# KiCad board A64-OlinuXino_Rev_G.kicad_pcb (continued)
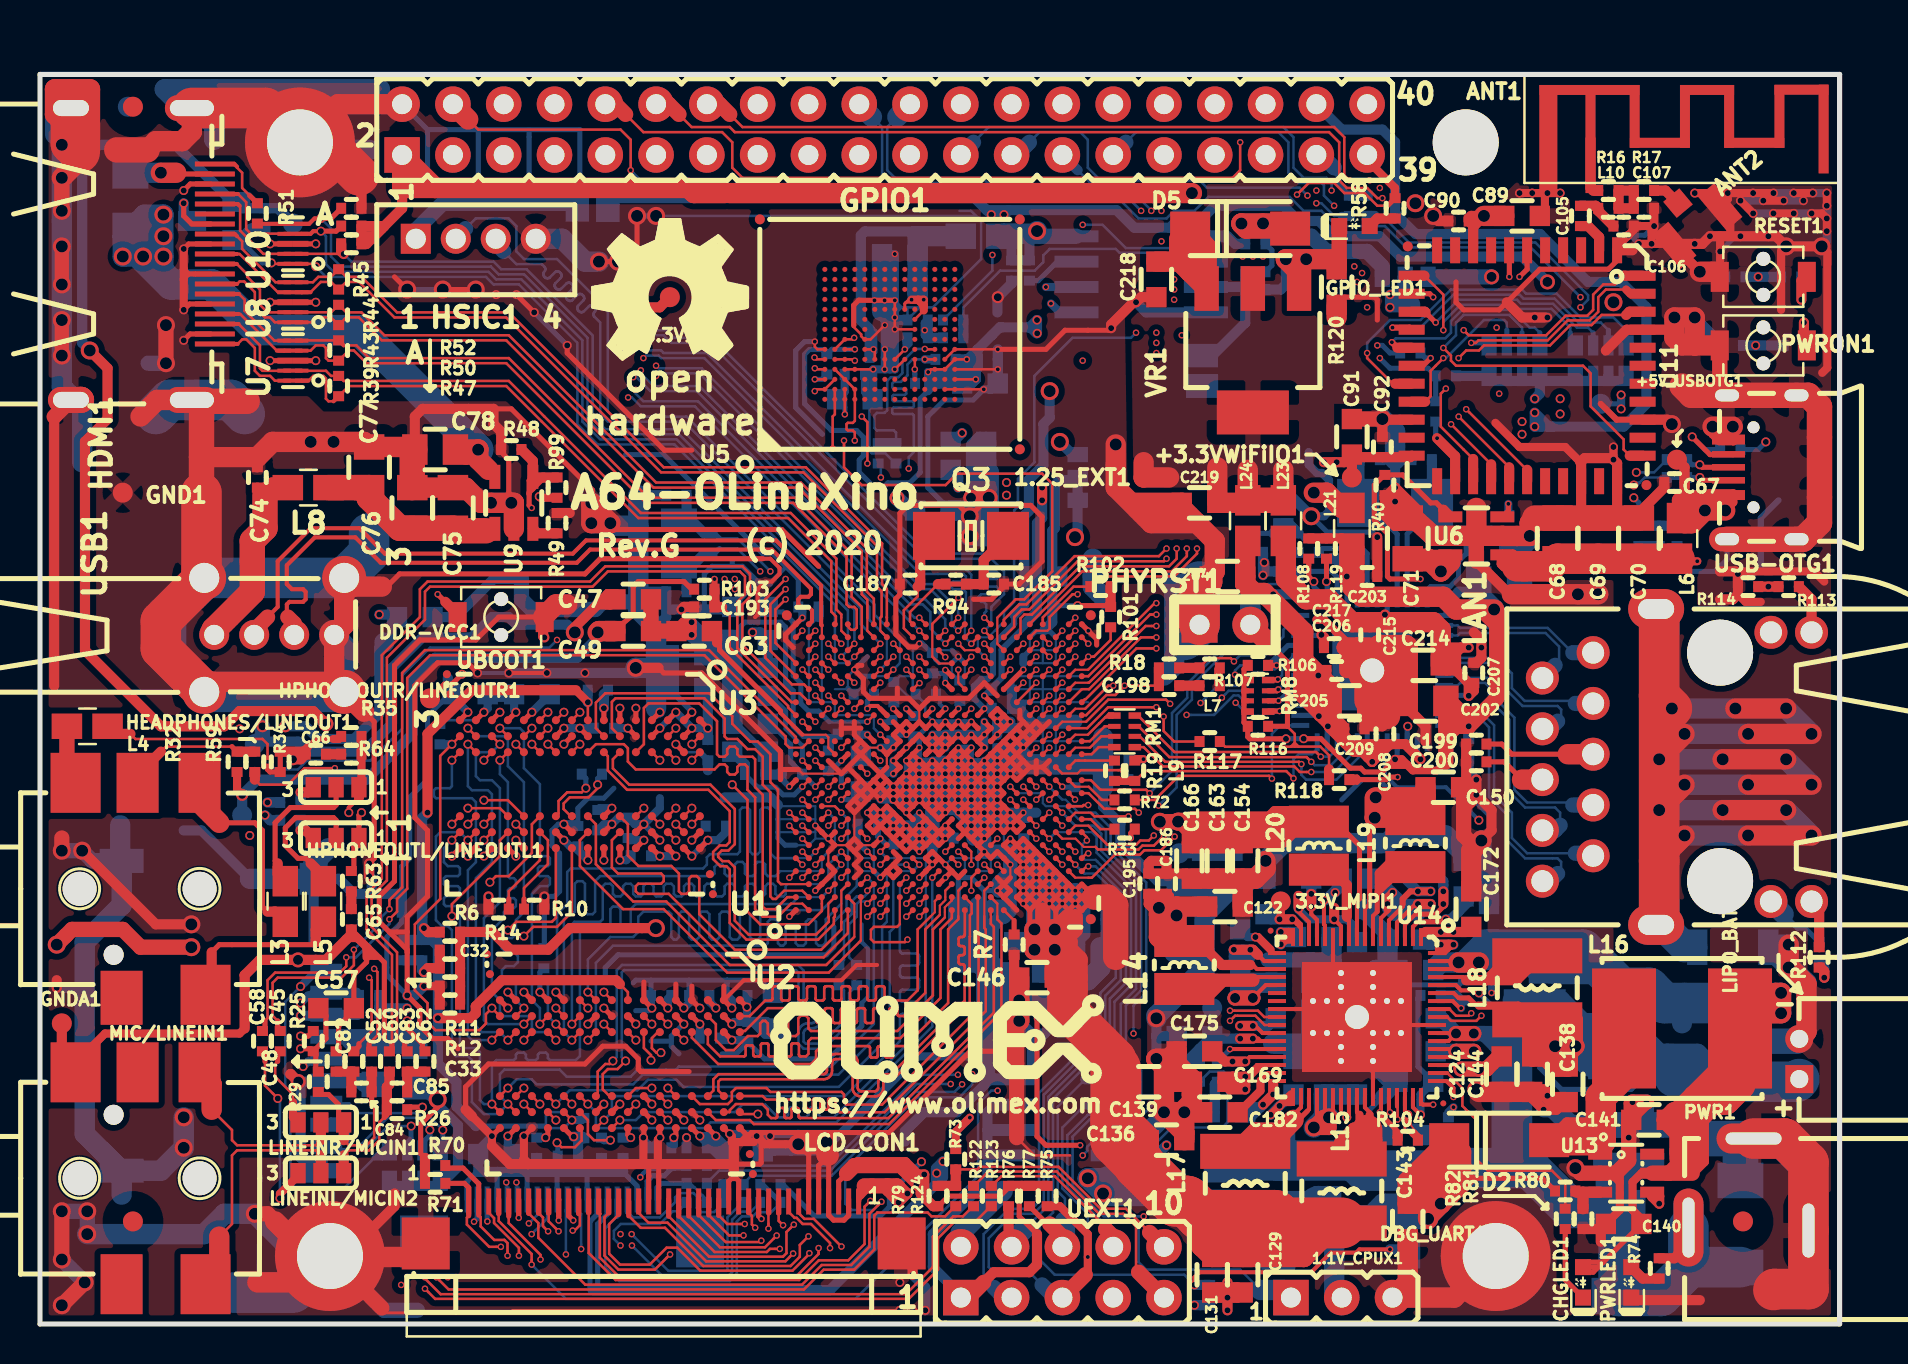
[diagram p0: board, top side]
## Routing (per net, layer and track width the routed paths; a pad name or vN(x,y) marks a point on that pad's centre or on a via; arc(x,y) is an arc through that point) (continued)
  In3.Cu w0.107: 49.5,33.7 49.5,33.7 49.5,34.21 49.5,34.21
  In3.Cu w0.127: 49.5,34.21 49.5,37.16 50.37,38.02 50.37,39.97 51.38,40.98 51.38,41.68 52.68,42.97 52.68,45.03 55.83,48.18 v4(55.83,48.56) ; v4(48.53,32.72) 49.5,33.7
  Bottom w0.127: v4(66.37,48.56) 66.37,49.07 67.51,50.22 69.04,50.22 70.56,51.74 74.12,51.74 74.32,51.54 75.84,51.54 77.04,50.34 78.69,50.34 79.32,49.71
  Bottom w0.254: RM9.1.2 79.32,49.71
/USB&HDMI,WiFi&BT,Ethernet,LCD/WL-SDIO-D1: length 38.2
  Top w0.127: U1.V22 49.03,34.53 49.03,35.29 49.22,35.48 49.61,35.48 52.02,37.9 56.46,37.9 56.84,38.28 v4(56.84,38.79) ; 69.27,46.13 69.54,46.41 69.54,47.68 v4(70.18,48.31)
  Top w0.508: U11.19 69.27,46.13
  In3.Cu w0.127: v4(70.18,48.31) 69.67,47.8 65.35,47.8 58.5,40.95 58.5,38.53 58.12,38.15 57.48,38.15 v4(56.84,38.79)
  Bottom w0.127: v4(70.18,48.31) 70.31,48.31 72.21,50.22 73.23,50.22 73.35,50.09 73.35,49.71
  Bottom w0.254: RM12.3.2 73.35,49.71
/USB&HDMI,WiFi&BT,Ethernet,LCD/WL-SDIO-D2: length 43.6
  Top w0.127: U1.Y21 v4(50.47,33.38)
  Top w0.254: 69.29,50.6 v4(69.8,50.09)
  Top w0.508: 69.29,50.6 69.26,50.63 U11.14
  In2.Cu w0.127: v4(69.8,50.09) 69.04,50.09 68.39,49.44 67.61,49.44 67.53,49.52 57.16,49.52 v4(57.1,49.45)
  In3.Cu w0.107: 50.8,33.7 50.8,34.67 50.62,34.85
  In3.Cu w0.127: 50.62,34.85 50.62,36.75 51.38,37.52 51.38,38.02 52.4,39.04 52.4,41.2 56.97,45.77 56.97,49.33 v4(57.1,49.45) ; v4(50.47,33.38) 50.8,33.7
  Bottom w0.127: v4(69.8,50.09) 70.94,51.23 73.86,51.23 74.07,51.03 75.67,51.03 76.86,49.84 77.42,49.84 77.67,49.58
  Bottom w0.254: RM9.3.2 77.67,49.58
/USB&HDMI,WiFi&BT,Ethernet,LCD/WL-SDIO-D3: length 45.5
  Top w0.127: v4(57.35,38.79) 57.35,38.41 56.59,37.64 52.12,37.64 49.5,35.02 U1.W23
  Top w0.305: v4(67.64,49.84) 68.49,49.84 U11.15
  In3.Cu w0.127: v4(67.64,49.84) 68.91,49.84 69.04,49.96 69.04,51.23 68.91,51.36 68.28,51.36 68.15,51.23 68.15,50.47 68.02,50.34 67.51,50.34 58.24,41.07 58.24,38.66 57.99,38.41 57.73,38.41 v4(57.35,38.79)
  Bottom w0.127: 78.44,49.71 78.05,50.09 76.94,50.09 75.74,51.28 74.19,51.28 73.99,51.49 70.69,51.49 69.04,49.84 v4(67.64,49.84)
  Bottom w0.254: RM9.2.2 78.44,49.71
/USB&HDMI,WiFi&BT,Ethernet,LCD/WL-WAKE-AP: length 70.2
  Top w0.127: U1.E19 v4(40.72,32.08)
  Top w0.254: v4(69.67,51.36) 69.5,51.53 U11.13
  In2.Cu w0.127: v4(56.72,51.23) 56.84,51.1 66.12,51.1 67.7,52.69 69.23,52.69 69.67,52.25 v4(69.67,51.36)
  In3.Cu w0.127: v4(56.72,51.23) 56.34,51.61 56.34,51.74 56.08,51.99 56.08,52.78 56.08,53.52 56.46,53.9 56.46,55.8 56.21,56.06 47.21,56.06 46.45,55.3 34.62,55.3 34.37,55.04 34.37,50.01 35.13,49.25 35.13,42.65 37.74,40.04 37.74,40.04 40.93,36.85 40.93,34.69 41.29,34.33 41.29,32.41 40.96,32.08 v4(40.72,32.08)
/VREF0_DDR3: length 62.6
  Top w0.127: 29,17 29.4,16.6 U2.H1 ; U2.M8 v3(26.6,10.2) ; U3.H1 v3(27.4,31.1) ; U3.M8 v3(23.8,25)
  Top w0.406: v3(27.4,31.1) 26.8,31.7
  Top w0.508: v3(19.2,19.8) 19.4,19.6 R6.1 ; 26.8,31.7 21.6,31.7 19.38,29.52 v3(19.38,25.58) ; v3(19.9,15.3) 21.55,15.3 21.79,15.55 21.79,15.89 23.1,17.2 28.8,17.2 29,17
  In3.Cu w0.508: v3(19.38,25.58) 20.78,26.97 22.56,26.97 23.8,25.73 v3(23.8,25)
  Bottom w0.127: U2.M8 25.5,10.6 25.3,10.4 25.3,9.9 25.4,9.8 26.2,9.8 v3(26.6,10.2) U2.M8
  Bottom w0.254: 25.3,9.9 21.8,9.9
  Bottom w0.406: v3(26.6,10.2) 27.09,10.2 C24.1
  Bottom w0.508: C25.1 27.39,31.11 v3(27.4,31.1) ; 19.9,18.9 19.59,19.21 C11.2 ; 19.9,18.9 v3(19.9,15.3) 19.9,13.03 20.83,12.1 20.83,10.88 21.8,9.91 21.8,9.9 ; 19.9,18.9 19.9,19.1 v3(19.2,19.8) ; C11.2 R5.1 ; C11.2 19.1,20.54 19.13,20.56 19.13,19.87 v3(19.2,19.8) ; v3(19.2,19.8) 19.11,19.89 R8.2 C23.1 19.11,25.31 v3(19.38,25.58)
AP-CK32KO: length 48.5
  Top w0.127: U1.B18 38.21,31.99 37.6,31.99 36.27,33.33 36.27,36.25 v4(37.29,37.26)
  In2.Cu w0.127: v4(67,48.31) 66.62,48.31 66.5,48.18 55.19,48.18 54.31,47.3 51.76,47.3 51.31,47.75 49.85,47.75 48.45,46.35 43.45,46.35 40.84,43.74 40.07,43.74 38.75,42.42 38.75,38.72 v4(37.29,37.26)
  Bottom w0.254: v4(67,48.31) 67.51,47.8 69.42,47.8 69.8,47.42 R60.2
AP-NMI#: length 178.5
  Top w0.127: 70.48,15.75 70.81,15.42 71.45,15.42 v4(71.58,15.55) ; U1.G18 v4(42.03,32.08)
  Top w0.203: U14.61 70.48,15.75
  In2.Cu w0.127: v4(20.4,2.34) 20.4,3.46 16.22,7.63 9.89,7.63 8.41,6.15 6.81,6.15 2.62,10.34 2.62,18.85 4.01,20.24 4.01,24.31 1.98,26.34 1.98,41.58 4.27,43.87 12.15,43.87 13.17,44.88 15.07,44.88 17.74,47.55 24.21,47.55 28.01,51.35 v4(34.7,51.35)
  In3.Cu w0.107: 41.7,32.4 41.54,32.56 41.54,34.4 41.41,34.53
  In3.Cu w0.127: v4(42.03,32.08) 41.7,32.4 ; v4(20.4,2.34) 21.54,1.19 41.53,1.19 45.34,5 55.57,5 57.23,6.66 66.73,6.66 70.69,10.61 v4(70.69,10.85) 70.18,11.35 70.18,14.78 70.69,15.29 71.32,15.29 v4(71.58,15.55) ; v4(34.7,51.35) 34.7,50.01 35.38,49.33 35.38,42.73 37.97,40.13 37.97,40.13 41.16,36.94 41.16,34.79 41.41,34.53
  Bottom w0.406: v4(70.69,10.85) 70.43,10.59 R85.1
AP-RESET#: length 164.3
  Top w0.127: v4(29.54,57.71) 29.54,59.23 29.03,59.74 21.92,59.74 21.41,60.25 ; U1.E17 v4(40.07,31.42)
  Top w0.203: v4(67,10.59) 67.06,10.65 U14.46
  Top w0.254: 67.77,9.77 67.77,9.32 R104.2 ; 67.77,9.77 68.02,9.51 ; 67.77,9.77 67,10.53 v4(67,10.59) ; 68.02,9.51 68.02,9.19 ; 68.02,9.51 67.89,9.51 ; 65.99,27.23 65.48,27.23 65.61,27.1 65.86,27.1 65.99,27.23 ; 65.99,27.23 67.32,27.23 67.45,27.36 v4(67.89,27.36) ; 65.99,27.23 65.86,27.36 65.54,27.36
  Top w1.016: GPIO1.4 21.41,60.25
  In2.Cu w0.127: v3(85.93,52.38) 85.42,51.87 81.86,51.87 80.34,50.34 78.05,50.34 v4(77.04,51.36)
  In3.Cu w0.107: 39.75,31.75 38.48,31.75
  In3.Cu w0.127: v4(29.54,57.71) 29.92,57.33 30.81,57.33 32.08,56.06 32.08,48.95 32.84,48.18 32.84,41.96 33.99,40.82 33.99,39.04 36.02,37.01 36.02,36.07 36.78,35.31 36.78,33.27 38.3,31.75 38.48,31.75 ; v4(67,10.59) 67.64,11.23 69.29,11.23 69.93,11.86 69.93,17.45 66.64,20.73 66.64,21.71 68.4,23.46 68.4,26.85 v4(67.89,27.36) 67.89,27.42 67.73,27.58 67.44,27.58 67.08,27.94 67.08,30.42 67.77,31.1 67.77,38.02 70.18,40.44 71.07,40.44 73.1,42.47 73.81,42.47 76.53,45.19 76.53,50.85 v4(77.04,51.36) ; v4(40.07,31.42) 39.75,31.75
  Bottom w0.127: v4(77.04,51.36) 74.55,53.85 68.33,53.85 67.26,54.91 64.85,54.91 64.08,55.68 63.19,55.68 62.5,56.38 58.43,56.38 57.73,55.68 56.72,55.68 56.34,55.3 54.94,55.3 54.07,56.16 47.6,56.16 46.94,56.82 30.43,56.82 v4(29.54,57.71)
  Bottom w0.508: R89.2 v3(85.93,52.38) C156.2
IPS: length 198.8
  Top w0.203: 67.39,20.75 67.39,20.62 67.06,20.3 U14.6 ; v3(64.72,20.24) 65.06,19.9 U14.11 ; v1(60.66,16.31) 61.3,16.95 U14.22 ; v2(63.7,9.83) 63.86,9.99 U14.38 ; v3(60.27,12.37) 60.86,12.95 U14.32 61.3,12.95 ; 61.3,12.95 60.99,12.95 60.34,12.31 60.27,12.31 ; 61.3,12.95 61.18,12.95 60.27,12.05 60.27,11.93 ; U14.66 70.61,17.75 v2(70.94,18.08) 70.87,18.15 U14.67 ; 62.94,20.75 62.94,20.62 63.46,20.1 U14.15 ; U14.56 70.7,13.75 v1(70.81,13.64) 70.53,13.35 U14.55 ; 60.91,18.47 61.22,18.15 U14.19 ; U14.4 67.86,20.08 68.78,21.01 v3(68.91,21.01) ; U14.39 64.26,10.54 v2(64.47,10.34) 64.66,10.53 U14.40
  Top w0.254: CHGLED1.2 77.42,3.1 78.18,3.1 ; CHGLED1.2 77.16,2.59 77.67,2.59 77.93,2.84 ; CHGLED1.2 77.93,2.84 ; 78.18,3.1 77.93,2.84 ; 78.18,3.1 C140.2
  Top w0.406: 67.39,20.75 v3(67.39,21.01) 67.39,21.33 v3(67.65,21.59) ; C140.2 80.09,5.26 79.64,5.7 79.64,7.1 80.09,7.54 U13.5
  Top w0.508: 60.91,18.47 60.66,18.72 v3(60.53,18.72) v3(59.7,18.72) ; 84.28,11.23 83.21,10.16 83.21,8.13 82.63,7.54 ; 60.27,12.31 60.08,12.12 59.38,12.12 ; 60.27,12.31 v3(60.27,11.73) 59.51,11.73 59.13,12.12 59.38,12.12 ; 60.27,12.31 v3(60.27,12.37) 59.64,12.37 59.38,12.12 ; v3(64.72,20.24) v4(64.72,20.82) ; v3(69.54,21.01) v3(68.91,21.01) ; 62.94,20.82 v3(62.94,21.41)
  Top w0.762: 81.48,7.54 82.25,8.31 ; 81.48,7.54 82.63,7.54 ; 81.48,7.54 U13.5 ; v1(60.66,16.31) v1(59.77,16.31) ; v1(70.81,13.64) v1(71.7,13.64) ; 64.21,10.34 v2(64.47,10.34) 64.47,9.83 v2(63.7,9.83) 64.21,10.34
  Top w1.016: 82.25,10.34 82.12,10.21 C141.2 ; C141.2 81.74,10.59 82.25,10.59 ; C141.2 82.25,9.32 82.25,8.61 ; v2(70.94,18.08) v2(71.96,18.08) ; 85.78,15.55 v2(87.07,15.55) v2(87.07,16.56) 86.8,16.56 L16.1 85.78,15.55
  Top w1.524: 82.88,11.23 82.25,10.59 82.25,8.31 ; 82.88,11.23 85.02,13.36 L16.1 85.02,11.97 84.28,11.23 82.88,11.23
  In4.Cu w0.406: v3(44.08,8.12) 44.65,8.69 51.04,8.69 52.05,9.7 63.58,9.7 v2(63.7,9.83) ; v3(62.94,20.78) 62.94,20.7 63.55,20.09
  In4.Cu w0.508: 62.31,18.21 61.04,18.21 v3(60.53,18.72) v3(59.7,18.72) ; 69.04,19.99 68.91,20.12 v3(68.91,21.01) v3(69.54,21.01) ; v3(62.94,20.78) v3(62.94,21.41) ; 64.72,19.36 v3(64.72,20.24) v4(64.72,20.82) ; 62.31,12.88 61.54,12.88 61.04,12.37 ; 61.04,12.37 v3(60.27,12.37) v3(60.27,11.73) 60.4,11.73 61.04,12.37 ; v3(67.65,21.59) 67.39,21.33 v3(67.39,21.01) 67.39,19.99
  In4.Cu w0.762: v1(59.77,16.31) v1(60.66,16.31) 62.31,16.31 ; 69.04,13.64 v1(70.81,13.64) v1(71.7,13.64)
  In4.Cu w1.016: v2(63.7,9.83) 63.96,9.83 v2(64.47,10.34) 64.47,11.86 ; 70.37,17.51 v2(70.94,18.08) 71.83,18.08
  In4.Cu w2.032: 70.37,17.51 69.74,16.88
  Bottom w0.254: 82.25,16.05 82.25,15.8 82.25,15.93 82.12,16.05 IPS1.1 ; C147.1 72.72,19.23 74.74,17.21 T1.8 74.75,17.45 74.37,17.83 74.37,17.77 ; v3(44.08,8.12) 42.48,6.51 42.48,5.86 42.02,5.41 38.73,5.41 37.16,6.97 37.03,6.97
  Bottom w0.356: 75.13,17.21 T1.4 75.9,17.25 75.9,17.58 ; 75.13,17.21 75.13,17.58 ; 75.13,17.21 T1.8
  Bottom w0.406: C157.2 65.61,19.36 65.61,19.99 65.35,20.24 v3(64.72,20.24) ; v3(64.72,20.24) 63.41,20.24 62.94,20.72 62.94,20.82 ; v3(64.72,20.24) v4(64.72,20.82) ; v3(69.54,21.01) 68.4,21.01 C167.2
  Bottom w0.508: 67.89,21.01 v3(67.39,21.01) ; 67.89,21.01 C167.2 67.89,21.01 ; 67.89,21.01 67.89,21.34 67.87,21.36 ; v3(67.39,21.01) 67.39,20.75 67.7,20.43 ; v3(67.39,21.01) 67.39,21.51 ; C159.2 60.53,18.34 v3(60.53,18.72) 60.15,18.72 ; C159.2 59.7,18.15 v3(59.7,18.72) 60.15,18.72 ; C159.2 60.02,18.59 60.15,18.72 ; 67.39,21.51 C153.2 66.96,22.28 v3(67.65,21.59) ; 67.39,21.51 67.57,21.51 v3(67.65,21.59) ; 67.7,20.43 68.97,20.43 v3(69.54,21.01) v3(68.91,21.01) ; 67.7,20.43 68.34,20.43 v3(68.91,21.01) ; 67.87,21.36 68.23,21.01 v3(68.91,21.01) ; 67.87,21.36 v3(67.65,21.59) ; v3(62.94,21.41) v3(62.94,20.78)
  Bottom w0.762: 60.02,16.56 v1(59.77,16.31) v1(60.66,16.31) 60.66,17.07 ; C128.1 v1(70.81,13.64) v1(71.7,13.64)
  Bottom w1.016: 72.47,18.72 C147.1 ; 72.47,18.72 C147.1 ; 72.47,18.72 72.47,18.78 72.15,19.1 71.13,18.08 v2(70.94,18.08) ; 72.47,18.72 C147.1 ; 72.47,18.72 71.83,18.08 v2(70.94,18.08) ; 75.13,17.58 75.13,18.72 ; 75.13,18.72 75.13,18.59 75.13,18.72 ; 75.13,18.72 75.9,17.96 75.9,17.58 ; 64.21,10.34 v2(64.47,10.34) ; 64.21,10.34 v2(63.7,9.83) ; 64.21,10.34 64.21,11.48 65.86,11.48 ; v2(70.94,18.08) 70.05,18.08 C176.2 ; 60.66,17.07 C126.2 ; C159.2 60.02,16.56 ; v2(87.07,15.55) v2(87.07,16.56) 85.67,16.56 85.67,15.55 v2(87.07,15.55)
  Bottom w2.032: 72.47,18.72 77.16,18.72 79.07,16.81 80.47,16.81 81.23,16.05 85.8,16.05 ; 75.84,18.01 77.88,18.01
KEYADC: length 40.2
  Top w0.127: U1.A16 37.41,30.84 37.41,30.91 34.49,33.83 34.49,35.48 34.11,35.86
  Top w0.305: R103.2 v4(33.73,37.26)
  Top w0.508: C193.2 R103.2 ; C193.2 34.11,35.86 ; C193.2 33.73,36.12
  In3.Cu w0.127: 24.84,60.12 24.59,59.87 24.59,57.71 25.22,57.07 30.68,57.07 31.83,55.93 31.83,48.82 32.59,48.06 32.59,41.87 33.73,40.72 v4(33.73,37.26)
  In3.Cu w0.406: 24.84,60.12 GPIO1.8
PC4: length 46.2
  Top w0.127: U1.T20 v4(47.22,33.38)
  In3.Cu w0.127: v4(54.81,49.58) 55.32,50.09 55.32,51.23 55.07,51.49 55.07,53.24 55.07,53.24 v4(55.07,55.68)
  Bottom w0.107: 46.9,33.7 46.9,34.22 47.03,34.35 47.42,34.35 47.75,34.67
  Bottom w0.127: 47.75,34.67 48.21,35.14 48.21,35.61 48.72,36.12 48.72,40.69 48.91,40.88 48.91,42.28 49.73,43.1 49.73,47.42 51.64,49.33 54.56,49.33 v4(54.81,49.58) ; 41.6,60.38 42.11,59.87 42.11,57.45 42.49,57.07 47.05,57.07 47.73,56.4 54.35,56.4 v4(55.07,55.68) ; v4(47.22,33.38) 46.9,33.7
  Bottom w1.016: GPIO1.20 41.6,60.38
PC7: length 45.9
  Top w0.127: U1.T19 v4(47.22,32.72)
  In3.Cu w0.107: 48.2,33.7 48.2,33.71 48.2,33.05
  In3.Cu w0.127: 48.2,33.05 47.88,32.72 v4(47.22,32.72) ; 48.2,33.71 48.2,33.71 48.59,34.1 48.59,37.39 49.61,38.41 49.61,41.96 49.92,42.28 50.94,42.28 51.94,43.28 51.94,45.46 55,48.52 55,49.13 55.32,49.45 55.32,49.71 55.57,49.96 55.57,51.36 55.32,51.61 55.32,53.14 55.32,53.14 55.32,55.42 v4(55.57,55.68)
  Bottom w0.127: v4(55.57,55.68) 55.57,55.7 54.64,56.63 47.83,56.63 47.13,57.33 42.75,57.33 42.37,57.71 42.37,59.87 42.88,60.38
  Bottom w1.016: GPIO1.22 42.88,60.38
PH10: length 52.2
  Top w0.127: 24.94,5.54 25.15,5.33 25.15,4.9 v4(25.41,4.64) ; v4(50.47,25.58) U1.Y8
  Top w0.254: 24.94,6.23 24.94,5.54
  Top w0.406: v4(46.5,10.32) 45.8,9.61 R73.1
  In2.Cu w0.127: v4(50.47,25.58) 50.86,25.96 51.02,25.96 51.65,26.59 52.32,26.59 52.78,26.14 52.78,25.56 53.75,24.58 53.75,17.28 52.53,16.05 52.53,13.77 51.13,12.37 50.5,12.37 48.45,10.32 v4(46.5,10.32) 46.34,10.48 42.92,10.48 39.81,7.38 33.57,7.38 29.73,3.54 27.89,3.54 27.15,4.29 25.76,4.29 v4(25.41,4.64)
PH11: length 50.5
  Top w0.127: 24.44,5.53 24.92,5.05 24.92,4.32 27.27,1.97 38.11,1.97 39.1,2.95 40.57,2.95 41.48,3.86 41.48,5.51 v4(42.08,6.12) ; U1.AA5 v4(51.12,22.97)
  Top w0.254: 24.44,5.53 24.44,6.23
  In2.Cu w0.127: v4(46.62,12.5) 48.34,12.5 49.73,13.89 50.37,13.89 51,14.53 51,16.81 52.27,18.08 52.27,21.83 v4(51.12,22.97)
  Bottom w0.127: v4(42.08,6.12) 41.67,5.7 40.59,5.7 40.27,6.02 40.27,7.73 43.87,11.33 45.96,11.33 46.62,11.99 v4(46.62,12.5)
PL7: length 44.5
  Top w0.127: U1.C19 v4(38.78,32.72)
  In3.Cu w0.107: 37.8,34.35 37.8,34.88 37.93,35 38.29,35 38.51,35.22 38.51,35.59
  In3.Cu w0.127: v4(38.78,32.72) 38.45,33.05 37.8,33.7 37.8,34.35 ; 38.51,35.59 38.51,36.62 35.87,39.26 35.87,39.26 33.1,42.04 33.1,48.31 32.33,49.07 32.33,56.04 33.63,57.33 44.15,57.33 44.65,57.84 44.65,59.23 45.03,59.61 45.03,60.38
  In3.Cu w1.016: 45.16,60.5 45.03,60.38 45.67,61.01 GPIO1.24
PL8: length 44.1
  Top w0.127: v4(38.78,34.03) U1.B21
  In3.Cu w0.107: 38.45,34.35 38.45,34.83 38.78,35.16
  In3.Cu w0.127: v4(38.78,34.03) 38.45,34.35 ; 47.7,60.5 46.94,59.74 45.54,59.74 44.91,59.11 44.91,57.71 44.27,57.07 33.75,57.07 32.59,55.91 32.59,49.2 33.35,48.44 33.35,42.11 36.1,39.36 36.1,39.36 38.78,36.69 38.78,35.16
  In3.Cu w1.016: 47.7,60.5 48.21,61.01 GPIO1.26
PL9: length 46.7
  Top w0.127: v4(39.43,33.38) U1.D20
  In3.Cu w0.107: 39.1,33.7 39.1,35
  In3.Cu w0.127: v4(39.43,33.38) 39.1,33.7 ; 39.1,35 39.1,36.69 36.34,39.45 36.34,39.46 33.6,42.19 33.6,48.57 32.84,49.33 32.84,55.78 33.88,56.82 45.99,56.82 47.32,58.15 47.32,59.23 47.83,59.74 49.48,59.74 49.99,60.25
  In3.Cu w0.762: 49.99,60.25 50.75,61.01 GPIO1.28
PL10: length 48.2
  Top w0.127: v4(39.43,34.03) U1.D21
  In3.Cu w0.127: v4(39.43,34.03) 39.43,36.7 36.57,39.55 36.57,39.55 33.86,42.27 33.86,48.69 33.1,49.45 33.1,55.68 33.99,56.57 46.07,56.57 46.83,57.33 49.35,57.33 49.86,57.84 49.86,58.98 50.62,59.74 52.02,59.74 52.78,60.5
  In3.Cu w0.762: 52.78,60.5 53.29,61.01 GPIO1.30
PL11: length 52
  Top w0.127: v4(39.43,32.72) U1.C20
  In3.Cu w0.107: 39.75,34.35 39.75,33.05
  In3.Cu w0.127: 39.75,33.05 v4(39.43,32.72) ; 55.19,60.5 54.43,59.74 52.91,59.74 52.4,59.23 52.4,57.84 51.64,57.07 46.9,57.07 46.14,56.31 34.11,56.31 33.35,55.55 33.35,49.58 34.11,48.82 34.11,42.34 36.8,39.65 36.8,39.65 39.75,36.7 39.75,34.34
  In3.Cu w0.762: 55.19,60.5 55.7,61.01 GPIO1.32
PL12: length 52.7
  Top w0.127: U1.D22 v4(40.07,34.03)
  In3.Cu w0.127: 57.73,60.5 56.97,59.74 55.57,59.74 54.94,59.11 54.94,57.84 53.92,56.82 46.98,56.82 46.22,56.06 34.24,56.06 33.6,55.42 33.6,49.71 34.37,48.95 34.37,42.42 37.04,39.75 37.04,39.74 40.07,36.71 v4(40.07,34.03)
  In3.Cu w0.762: 57.73,60.5 58.24,61.01 GPIO1.34
PMU-SCK: length 136.5
  Top w0.127: U1.D17 v4(39.43,31.42)
  Top w0.203: v4(67.51,10.59) 67.46,10.64 U14.47
  In2.Cu w0.127: v3(10.49,24.44) 10.49,25.32 9.6,26.21 9.6,26.72 10.11,27.23 10.11,29.01 10.49,29.39 10.49,30.02 13.54,33.07 15.7,33.07 19.63,37.01 20.02,37.01 21.79,38.79 24.97,38.79 25.6,38.15 32.33,38.15 33.6,36.88 34.37,36.88 v4(34.75,37.26)
  In3.Cu w0.107: 38.45,31.1 39.1,31.1
  In3.Cu w0.127: v3(10.49,24.44) 10.71,24.21 10.71,10.74 13.51,7.95 16.53,7.95 22.56,1.92 41.31,1.92 45.29,5.89 48.84,5.89 51.38,8.43 v4(52.15,8.43) 52.65,7.92 66.31,7.92 67.51,9.13 v4(67.51,10.59) ; v4(39.43,31.42) 39.1,31.1 ; 38.45,31.1 38.24,31.1 36.29,33.05 36.29,35.13 35.51,35.92 35.51,36.5 v4(34.75,37.26)
  Bottom w0.127: v4(52.15,8.43) 52.38,8.67 52.38,8.87 52.58,9.07 55.83,9.07 56.59,9.83 59.13,9.83 59.38,10.08 59.38,12.44 59.2,12.62 58.5,12.62 R88.1 57.96,12.12
PMU-SDA: length 148
  Top w0.127: v4(67.89,10.23) 67.89,10.85 67.86,10.88 ; U1.C17 v4(38.78,31.42)
  Top w0.203: 67.86,10.88 67.86,11.48
  In2.Cu w0.127: v3(9.98,29.77) 9.98,29.9 13.41,33.33 15.57,33.33 19.63,37.39 20.02,37.39 21.67,39.04 25.09,39.04 25.73,38.41 33.1,38.41 v4(34.24,37.26) ; v4(55.19,5.39) 55.03,5.22 55.03,2.96 54.79,2.72 44.49,2.72 43.35,1.58 42.75,1.58 41.86,2.46 30.54,2.46 30.4,2.32 26.8,2.32 26.53,2.59 21.14,2.59 19.87,1.32 18.7,1.32 v4(18.06,1.96)
  In3.Cu w0.127: v4(18.06,1.96) 18.06,4.71 16.05,6.72 12.52,6.72 9.16,10.08 9.16,23.2 8.33,24.02 8.33,28.12 v3(9.98,29.77) ; v4(55.19,5.39) 56.72,6.91 66.62,6.91 69.48,9.77 69.48,10.66 69.16,10.97 68.28,10.97 67.89,10.59 v4(67.89,10.23) ; v4(34.24,37.26) 34.62,37.64 35,37.64 35.76,36.88 35.76,35.99 36.53,35.23 36.53,33.2 38.3,31.42 v4(38.78,31.42)
  Bottom w0.127: v4(55.19,5.39) 53.19,5.39 51.64,6.93 51.64,9.37 52.5,10.23 54.91,10.23 56.29,11.61 56.57,11.61 57.07,12.12 R90.1
SPI0_CLK: length 165.1
  Top w0.127: v4(46.57,33.38) U1.P20 ; R122.2 46.66,5.89 46.15,5.39 45.68,5.39 44.65,4.36 44.65,2.84 43.3,1.49 20.04,1.49 19.25,2.27 v4(19.25,2.34)
  In2.Cu w0.127: v4(50.3,51.87) 49.29,52.88 47.4,52.88 45.75,54.53 34.84,54.53 32.18,51.87 27.76,51.87 23.95,48.06 17.57,48.06 14.88,45.37 12.96,45.37 11.96,44.37 4.01,44.37 1.47,41.83 1.47,26.09 3.5,24.05 3.5,20.62 2.11,19.23 2.11,9.83 6.3,5.64 8.56,5.64 10.07,7.15 16.04,7.15 19.25,3.94 v4(19.25,2.34)
  In3.Cu w0.107: 47.06,33.7 47.43,33.7
  In3.Cu w0.127: v4(46.57,33.38) 46.74,33.38 47.07,33.71 ; 47.43,33.7 48.08,34.36 48.08,37.64 49.1,38.66 49.1,44.03 51.76,46.7 51.76,50.41 v4(50.3,51.87)
  Bottom w0.406: U12.6 v4(50.3,51.87)
SPI0_CS: length 179.1
  Top w0.127: R124.1 45.77,5.89 45.26,5.39 44.58,5.39 44.39,5.58 41.87,5.58 41.72,5.42 41.72,3.72 40.72,2.72 39.19,2.72 38.2,1.73 20.43,1.73 v4(19.82,2.34) ; U1.P19 v4(46.57,32.72)
  In2.Cu w0.127: v4(19.82,2.34) 19.82,3.7 16.14,7.38 9.97,7.38 8.48,5.89 6.55,5.89 2.36,10.08 2.36,18.97 3.76,20.37 3.76,24.18 1.73,26.21 1.73,41.71 4.14,44.12 12.08,44.12 13.09,45.13 15,45.13 17.67,47.8 24.08,47.8 27.89,51.61 32.27,51.61 34.94,54.28 45.67,54.28 47.32,52.63 49.1,52.63 49.35,52.38 49.35,49.45 50.62,48.18 v4(52.15,48.18)
  In3.Cu w0.107: 46.9,33.05 47.55,33.05
  In3.Cu w0.127: 47.55,33.05 47.92,33.42 47.92,33.8 48.34,34.21 48.34,37.52 49.35,38.53 49.35,43.95 52.15,46.75 v4(52.15,48.18) v4(52.15,54.98) ; v4(46.57,32.72) 46.9,33.05
  Bottom w0.127: v4(52.15,54.98) 53.14,54.98 54.3,53.82 56.51,53.82 57.1,54.41
  Bottom w0.508: R53.1 59.77,54.03 59.38,54.41 U12.1 57.1,54.41
SPI0_MISO: length 15.3
  Bottom w0.127: 57.1,53.14 56.65,53.58 53.99,53.58 53.8,53.77 50.5,53.77 50.18,53.45 50.18,53.11 49.76,52.69 48.02,52.69 46.18,50.85 46.18,50.22
  Bottom w0.508: 46.18,50.22 46.18,49.33 ; U12.2 57.1,53.14
SPI0_MOSI: length 166.2
  Top w0.127: v4(47.22,34.03) U1.T21 ; v4(19.25,1.77) 19.76,1.26 43.45,1.26 44.91,2.72 44.91,4.29 45.75,5.13 46.79,5.13 47.55,5.89 R123.1
  In2.Cu w0.127: v4(50.56,51.04) 50.72,51.2 50.72,51.96 49.54,53.14 47.47,53.14 45.82,54.79 34.75,54.79 32.08,52.12 27.64,52.12 23.83,48.31 17.49,48.31 14.78,45.6 12.86,45.6 11.89,44.63 3.89,44.63 1.22,41.96 1.22,25.96 3.25,23.93 3.25,20.75 1.85,19.35 1.85,9.58 6.05,5.39 8.64,5.39 10.17,6.92 15.94,6.92 18.39,4.47 18.39,2.63 v4(19.25,1.77)
  In3.Cu w0.127: v4(47.22,34.03) 47.83,34.63 47.83,37.77 48.84,38.79 48.84,44.12 51.51,46.79 51.51,50.09 v4(50.56,51.04)
  Bottom w0.406: U12.5 51,50.6 v4(50.56,51.04)
TWI0-SCK: length 63.7
  Top w0.127: U1.W11 v4(49.82,26.88) ; 21.94,5.45 22.04,5.35 22.04,4.88 22.72,4.21 23.22,4.21 23.38,4.05 v4(23.38,3.42)
  Top w0.254: 21.94,5.45 21.94,7.02 21.16,7.8 20.4,7.8 R70.1
  In2.Cu w0.127: v4(49.82,26.88) 49.82,27.07 50.24,27.48 52.43,27.48 53.48,26.43 53.48,25.85 54.94,24.39 54.94,23.86 54.56,23.48 54.56,16.94 53.29,15.67 53.29,13.39 51.51,11.61 50.88,11.61 48.79,9.52 46.15,9.52 45.97,9.7 43.12,9.7 40.1,6.68 33.86,6.68 29.96,2.78 27,2.78 v4(26.3,3.48) 26.22,3.56 24.68,3.56 24.16,3.04 23.76,3.04 v4(23.38,3.42)
  Bottom w0.127: v4(26.3,3.48) 26.3,5.7 26.36,5.76 MIPI-DSI1.11
TWI0-SDA: length 59.4
  Top w0.127: 21.44,5.41 21.35,5.32 21.35,4.97 22.46,3.86 v4(23.05,3.86) ; U1.AA10 v4(50.47,26.22)
  Top w0.254: 21.44,5.41 21.44,6.82 21.22,7.04 R71.1
  In2.Cu w0.127: v4(50.47,26.22) 50.95,26.22 51.57,26.85 52.4,26.85 53.01,26.24 53.01,25.65 53.99,24.68 53.99,17.13 52.78,15.93 52.78,13.64 51.26,12.12 50.62,12.12 48.49,9.99 46.35,9.99 46.17,10.17 42.93,10.17 39.91,7.15 33.66,7.15 29.81,3.29 27.52,3.29 v4(27.06,3.75) 26.76,4.05 23.24,4.05 v4(23.05,3.86)
  Bottom w0.127: MIPI-DSI1.12 26.86,5.7 27.06,5.5 v4(27.06,3.75)
TWI1-SCK: length 45.4
  Top w0.127: v4(52.43,22.89) 52.34,22.89 U1.AC4
  Top w0.406: 52.27,2.46 52.4,2.59 v4(52.4,3.35) 52.4,4.5 51,5.89 R75.2
  Top w0.762: UEXT1.5 52.27,2.46
  Bottom w0.127: 52.4,10.97 52.27,10.97 51.13,9.83 51.13,6.78 52.4,5.51 v4(52.4,3.35) ; 50.11,1.96 49.48,2.59 47.7,2.59 47.45,2.84 47.45,4.29 48.67,5.51 49.68,5.51 50.2,6.02 50.2,11.46 53.27,14.53 53.27,16.41 54.05,17.2 54.05,21.63 52.79,22.89 v4(52.43,22.89)
  Bottom w0.508: U4.6 52.27,10.97
  Bottom w0.762: 50.11,1.96 50.75,1.32 UEXT1.5
TWI1-SDA: length 31.7
  Top w0.127: 50.5,5 50.24,5 ; v4(51.12,25.58) U1.AA9
  Top w0.254: R77.2 50.24,5.13 50.37,5.13 50.5,5
  Top w0.762: 50.5,5 51.13,4.37 UEXT1.6
  Bottom w0.127: 52.27,12.24 50.9,10.87 50.9,6.63 51.26,6.27 51.26,5.13 ; 54.05,12.88 54.05,16 54.81,16.76 54.81,21.93 53.08,23.67 53.08,24.52 52.67,24.92 51.78,24.92 v4(51.12,25.58)
  Bottom w0.406: 54.05,12.88 53.54,12.37 ; 54.05,12.88 54.05,12.24 U4.5 ; 54.05,12.88 54.5,12.43 54.5,12.24
  Bottom w0.508: U4.5 52.27,12.24
  Bottom w1.016: 51.26,5.13 51.26,3.99 UEXT1.6
UART3-RX: length 26.6
  Top w0.127: v4(52.35,24.19) 52.35,24.35 U1.AC7
  Top w0.508: 48.44,5.87 48.44,4.01 UEXT1.4
  Bottom w0.107: 52.1,23.95 52.1,23.39 52.27,23.22 52.79,23.22
  Bottom w0.127: 52.1,23.95 52.34,24.19 v4(52.35,24.19) ; 49.22,4.75 49.25,4.75 50.43,5.93 50.43,11.36 53.5,14.44 53.5,16.27 54.31,17.07 54.31,21.7 52.79,23.22
  Bottom w1.016: UEXT1.4 48.59,4.11 49.22,4.75
UART3-TX: length 27.5
  Top w0.127: U1.AB5 v4(51.78,22.97)
  Bottom w0.127: v4(51.78,22.97) 52.22,22.53 52.82,22.53 53.8,21.55 53.8,17.32 53.03,16.56 53.03,14.63 49.96,11.56 49.96,6.12 49.61,5.77 48.46,5.77 47.19,4.5 47.19,2.34 47.7,1.83
  Bottom w0.762: 47.7,1.83 48.21,1.32 UEXT1.3
UBOOT: length 61.7
  Top w0.127: U1.F17 v4(40.72,30.78)
  Top w0.254: 20.27,36.12 v4(19.89,36.5)
  Top w0.508: 20.27,36.12 20.96,35.42 20.96,35.36
  In2.Cu w0.127: v4(34.75,36.75) 34.62,36.63 33.48,36.63 32.21,37.9 32.21,37.9 25.48,37.9 24.84,38.53 21.92,38.53 v4(19.89,36.5)
  In3.Cu w0.107: 40.4,30.45 39.1,30.45
  In3.Cu w0.127: 39.1,30.45 38.78,30.78 38.17,30.78 36.06,32.89 36.06,35.04 35.25,35.84 35.25,36.25 v4(34.75,36.75) 33.6,36.75 33.35,37.01 33.35,40.69 32.33,41.71 32.33,47.93 31.57,48.69 31.57,55.8 30.56,56.82 25.1,56.82 24.33,57.6 24.33,59.87 24.08,60.12 ; v4(40.72,30.78) 40.4,30.45
  In3.Cu w0.508: 24.08,60.12 GPIO1.6
USB0-D_N: length 59.8
  Top w0.127: U1.B22 v4(38.78,34.67)
  Top w0.254: v3(83.01,42.34) 83.15,42.2 84.68,42.2
  In2.Cu w0.152: 39.19,35.35 39.19,35.34 ; 39.19,35.35 40.98,37.14 40.98,41.78 44.45,45.25 50.68,45.25 50.93,45.5 55.12,45.5 56.01,46.39 68.84,46.39 69.67,47.23 71.45,47.23 73.03,48.81 76.25,48.81 77.64,47.42 79.64,47.42 80.07,46.98 80.07,44.67 82.4,42.34 v3(83.01,42.34) ; 39.19,35.35 38.78,34.93 v4(38.78,34.67)
  Bottom w0.254: R87.2 v3(83.01,42.34)
USB0-D_P: length 60.4
  Top w0.127: U1.A22 v4(38.12,34.67)
  Top w0.254: v3(83.01,42.98) 83.13,42.85 84.68,42.85
  In2.Cu w0.152: v4(38.12,34.67) 40.7,37.25 40.7,41.87 44.37,45.53 50.56,45.53 50.82,45.78 55.01,45.78 55.9,46.67 68.73,46.67 69.54,47.49 71.31,47.49 72.91,49.09 76.33,49.09 77.74,47.68 79.78,47.68 80.35,47.1 80.35,44.79 82.16,42.98 v3(83.01,42.98)
  Bottom w0.254: v3(83.01,42.98) 82.63,42.98 R86.2
USB0-DRV: length 40.8
  Top w0.203: v4(69.67,10.97) 69.16,10.97 69.06,11.08 U14.51
  Top w0.254: v4(69.04,37.26) 67.51,37.26 67.39,37.39 67.39,39.54 66.73,40.2 66.73,41.97 67.23,42.47 R40.2 68.15,42.47 69.54,41.07 69.83,41.07 70.18,40.72
  Top w0.508: 70.21,40.69 70.18,40.72 70.53,40.37
  In2.Cu w0.127: v4(69.67,10.97) 69.61,11.04 69.61,20.12 69.35,20.37 68.88,20.37 68.47,20.78 68.47,21.83 69.16,22.53 69.16,27.48 67.89,28.75 67.89,30.02 68.4,30.53 68.4,35.87 69.04,36.5 v4(69.04,37.26)
USB1-DRV: length 46.8
  Top w0.107: 47.88,34.03 47.88,35.33
  Top w0.127: v4(40.21,44.19) 40.21,42.85 41.1,41.96 45.29,41.96 45.86,42.53 50.11,42.53 50.62,42.02 50.62,37.64 49.22,36.25 48.8,36.25 47.88,35.33 ; U1.U21 47.88,34.03
  Top w0.254: 24.65,41.77 25.16,42.28 25.16,42.34 ; 24.65,41.77 U9.4 24.46,42.18 24.46,41.52 ; 24.65,41.77 24.46,41.58 24.46,41.52 ; 24.46,41.52 24.46,40.95 v4(24.59,40.82)
  Top w0.508: R48.2 24.65,43.17 U9.4 24.68,42.34 R99.2
  In2.Cu w0.127: v4(40.21,44.19) 39.39,44.19 34.62,39.42 26.25,39.42 24.85,40.82 v4(24.59,40.82)
